# Altium PCB CANSAT-Measurement-RF PCB.PcbDoc
Units mm, origin at the board's own origin, x right, y up, seen from the top; angles counter-clockwise.
Board outline 60.23 x 56.46 mm, 2 copper layers (Top Layer, Bottom Layer); 22 components, 21 nets, 132 pads, 0 vias.
Unrouted connection lines stored in the file: 48.
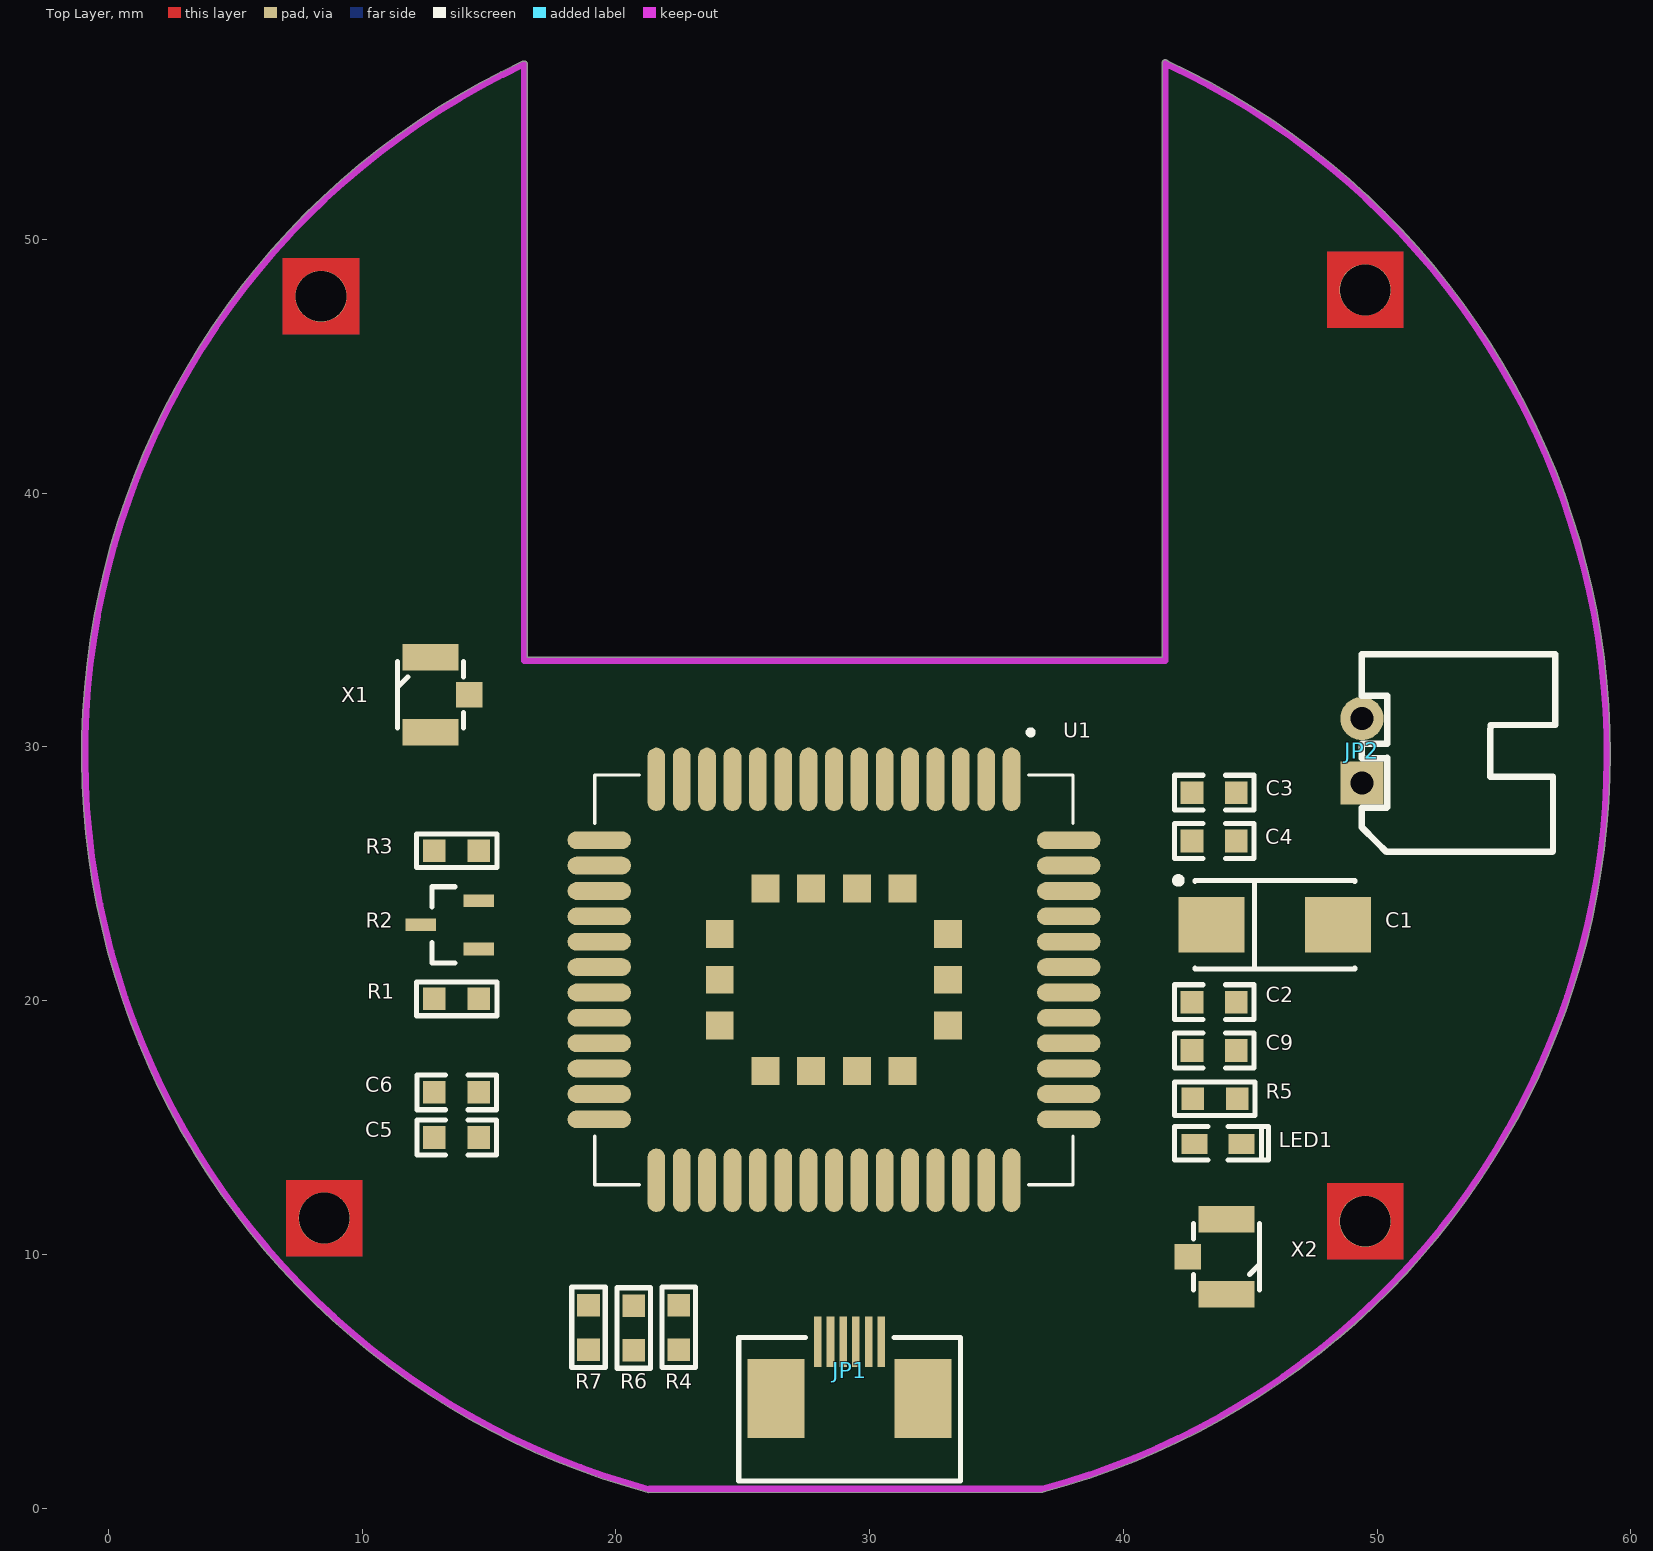
[diagram p0: Top Layer view]
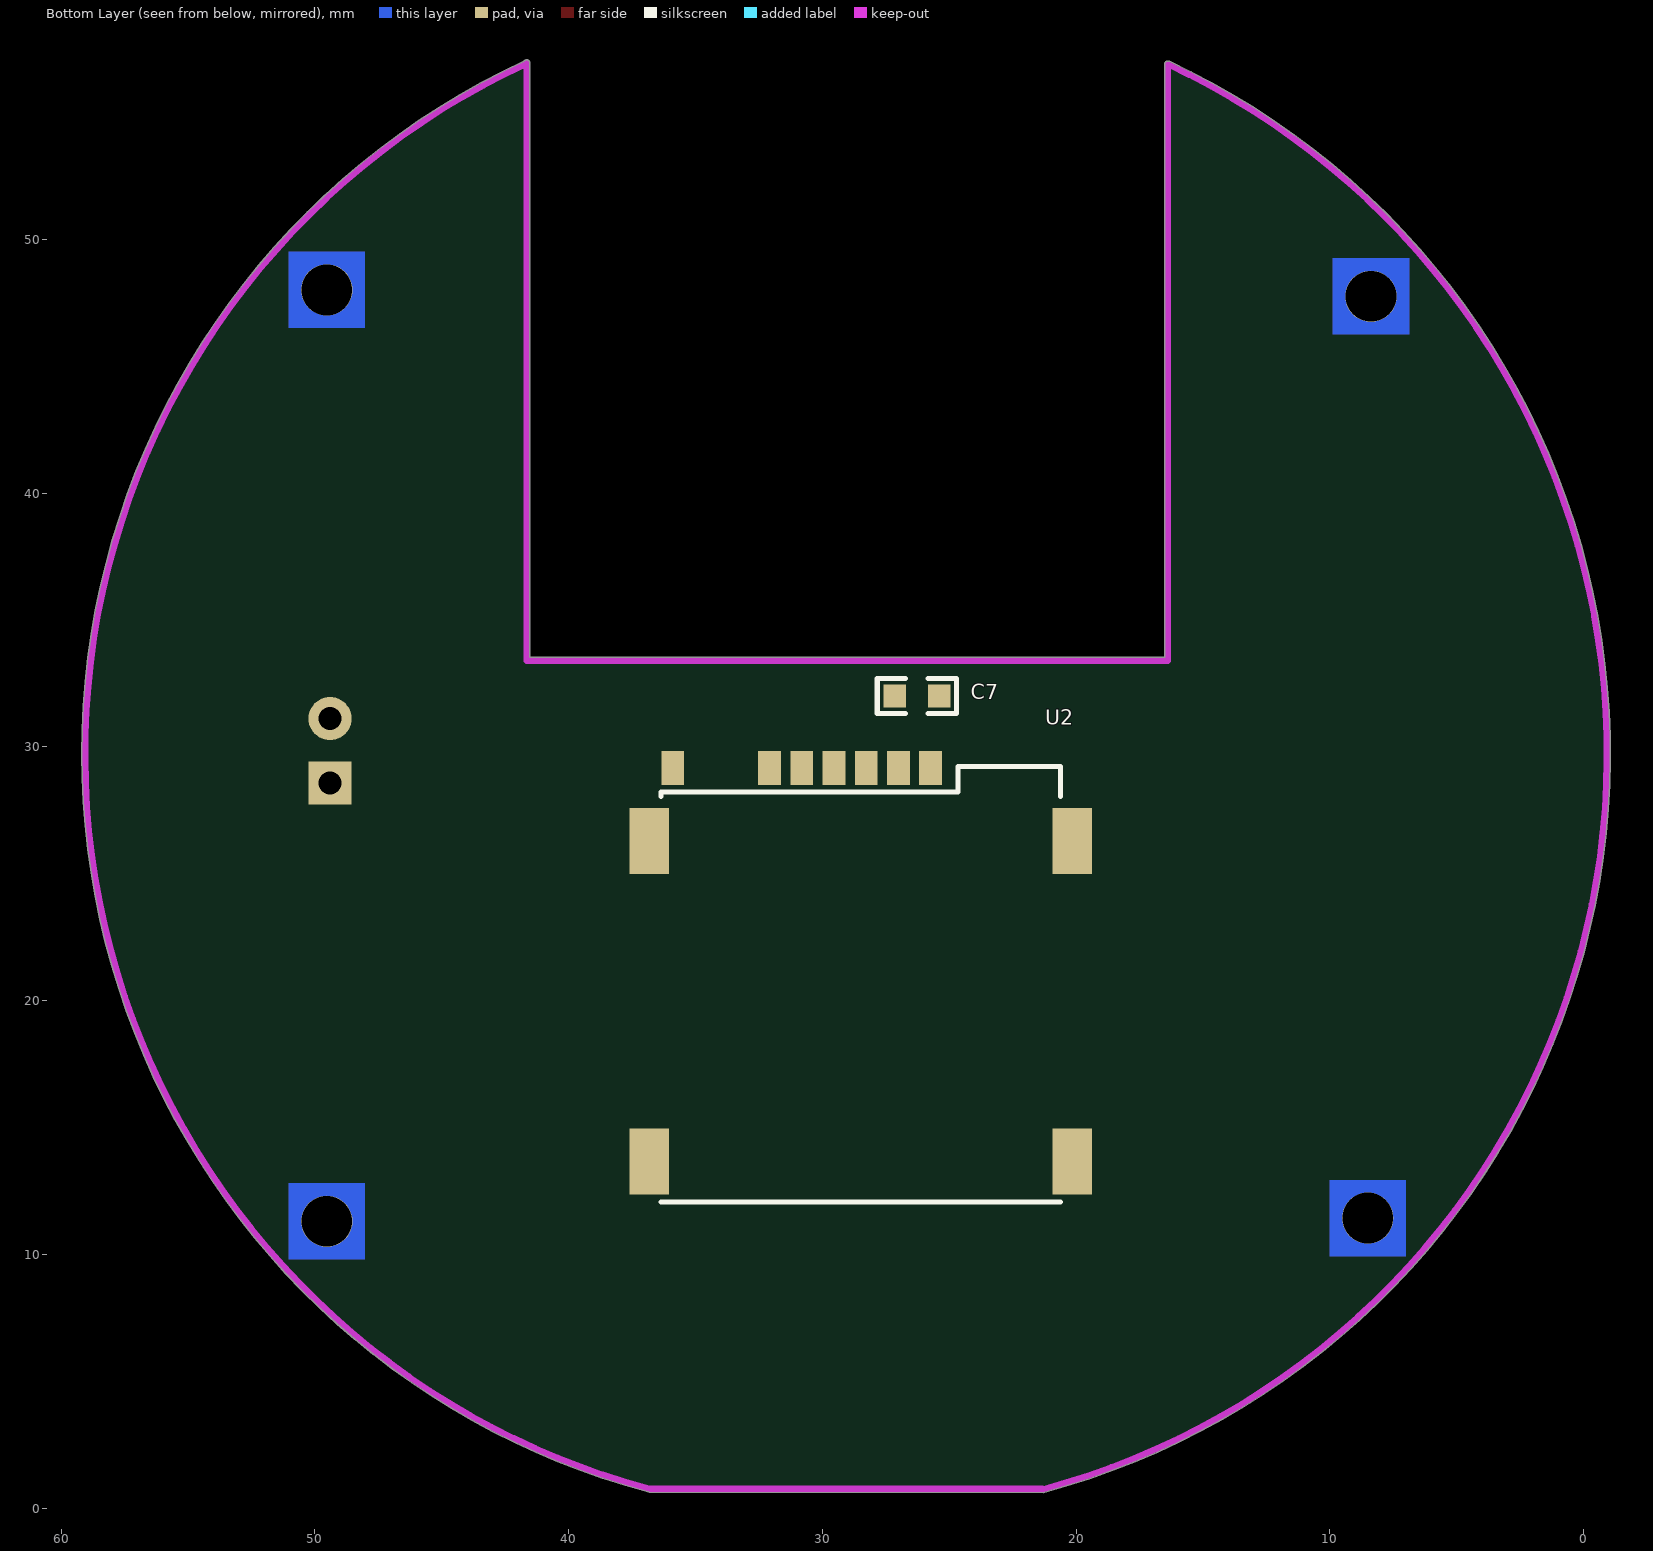
[diagram p1: Bottom Layer view, seen from below]

## Layer stack, top to bottom
Top Solder: solder mask 0.0102, Solder Resist, Dk 3.5
Top Layer: signal copper 0.0356
Dielectric 1: dielectric 0.32, FR-4, Dk 4.8
Bottom Layer: signal copper 0.0356
Bottom Solder: solder mask 0.0102, Solder Resist, Dk 3.5

## Board outline
21.296,0.613 cw(c29.083,29.718) 16.329,57.014 cw(c16.383,56.899) 16.51,56.899 16.51,33.528 41.529,33.528 41.529,56.889 41.537,56.992 cw(c41.656,56.947) 41.76,57.02 cw(c29.083,29.718) 59.185,29.718 cw(c29.083,29.718) 36.863,0.639 36.83,0.635

## Design rules (kind name [scope] priority, off if disabled: settings)
Clearance [All] p1: gap=0.178 ignorepadtopadclearanceinfootprint=FALSE
PolygonConnect [All] p1: connectstyle=Relief reliefconductorwidth=0.254 reliefentries=4 polygonreliefangle="90 Angle" airgapwidth=0.254
RoutingVias [All] p1: holewidth=0.711 width=1.27 viastyle="Through Hole" minholewidth=0.711 minwidth=1.27 maxholewidth=0.711 maxwidth=1.27
SolderMaskExpansion [All] p1: expansion=0.102 istentingtop=FALSE
Width [All] p1: maxlimit=0.254 minlimit=0.254 preferedwidth=0.254
30 further rules are at their usual default settings.

## Components (designator, comment, footprint, x,y, rotation, side; value= is the part's Value field where it differs from the comment)
C1 "100uF" "CD C(6032)" 45.967,22.987 r0 top
C2 "100nF" "C 0603" 43.594,19.939 r0 top
C3 "10pF" "C 0603" 43.594,28.194 r0 top
C4 "33pF" "C 0603" 43.594,26.289 r0 top
C5 "10Uf" "C 0603" 13.716,14.605 r180 top
C6 "100nF" "C 0603" 13.716,16.383 r180 top
C7 "100nF" "C 0603" 26.289,32.004 r0 bottom
C9 "10uF" "C 0603" 43.594,18.034 r0 top
JP1 "FFC_1.0_6" FFC_1.0_6_BT 28.956,4.191 r0 top
JP2 "HDR-1X2" XH2.54-2P_H 49.403,28.575 r90 top
LED1 "LED-SMD" "LED 0603Y" 43.733,14.351 r0 top
R1 "1K" "R 0603" 13.716,20.066 r180 top
R2 "SS8050" SOT23-3N 13.462,22.987 r90 top
R3 "10K" "R 0603" 13.716,25.908 r180 top
R4 "1K" "R 0603" 22.479,7.112 r270 top
R5 "1K" "R 0603" 43.594,16.129 r180 top
R6 "1K" "R 0603" 20.701,7.087 r270 top
R7 "5.6K" "R 0603" 18.923,7.112 r270 top
U1 "Quectel MC60" "Quectel MC60" 28.596,20.845 r270 top
U2 "SIMcard" SIMcard_6pin_1 28.541,20.898 r180 bottom
X1 "u.Fl" "u.Fl 3P" 12.7,32.053 r90 top
X2 "u.Fl" "u.Fl 3P" 44.069,9.906 r270 top

## Footprints (in the part's own frame and the unit in brackets; to place one, negate y for a bottom-side part, rotate by r counter-clockwise, add the part's x,y. Pads: shape width x height; smd on the part's side, far side on the other; paste and mask are expansions set on the pad)
"C 0603" [mil] "ï¿½Þ¼ï¿½ï¿½ï¿½ï¿½ï¿½Æ¬ï¿½ï¿½ï¿½ï¿½"
  rect 35x35 smd: 1(-35,0) 2(34,0)
  silkscreen extent -62,-27 61,27, body extent -31,-16 31,16, height 32
"CD C(6032)" [mm] "Capacitor, SM Tantalum; Body 6.0 x 3.2 mm (LxW typ)"
  rect 2.6x2.2 smd: 1(-2.5,0) 2(2.5,0)
  silkscreen extent -3.92,-1.75 3.15,1.87, body extent -3,-1.6 3,1.6, height 2.5
FFC_1.0_6_BT [mm]
  rect 0.3x2 smd: 1(-0.996,2.361) 2(-0.496,2.361) 3(0.004,2.361) 4(0.504,2.361) 5(1.004,2.361) 6(1.504,2.361)
  rect 2.24x3.12 smd: S1(-2.643,0.127) S2(3.151,0.127)
  silkscreen extent -4.11,-3.12 4.62,2.54, body extent -4.07,-2.79 4.58,2.88, height 2.05
"LED 0603Y" [mm] "ï¿½ï¿½É«0603LED"
  rect 1.016x0.8 smd: 1(-0.927,0) 2(0.927,0)
  silkscreen extent -1.71,-0.63 1.98,0.69, body extent -0.8,-0.41 0.8,0.4, height 0.61
"Quectel MC60" [mm]
  oval 2.5x0.7 smd paste-2: 1(-7.875,7) 2(-7.875,6) 3(-7.875,5) 4(-7.875,4) 5(-7.875,3) 6(-7.875,2) 7(-7.875,1) 8(-7.875,0) 9(-7.875,-1) 10(-7.875,-2) 11(-7.875,-3) 12(-7.875,-4) 13(-7.875,-5) 14(-7.875,-6) 15(-7.875,-7) 28(7.925,-7) 29(7.925,-6) 30(7.925,-5) 31(7.925,-4) 32(7.925,-3) 33(7.925,-2) 34(7.925,-1) 35(7.925,0) 36(7.925,1) 37(7.925,2) 38(7.925,3) 39(7.925,4) 40(7.925,5) 41(7.925,6) 42(7.925,7)
  oval 0.7x2.5 smd paste-2: 16(-5.475,-9.25) 17(-4.475,-9.25) 18(-3.475,-9.25) 19(-2.475,-9.25) 20(-1.475,-9.25) 21(-0.475,-9.25) 22(0.525,-9.25) 23(1.525,-9.25) 24(2.525,-9.25) 25(3.525,-9.25) 26(4.525,-9.25) 27(5.525,-9.25) 43(5.525,9.25) 44(4.525,9.25) 45(3.525,9.25) 46(2.525,9.25) 47(1.525,9.25) 48(0.525,9.25) 49(-0.475,9.25) 50(-1.475,9.25) 51(-2.475,9.25) 52(-3.475,9.25) 53(-4.475,9.25) 54(-5.475,9.25)
  rect 1.1x1.1 smd paste-0.09: 55(-3.575,2.7) 56(-3.575,0.9) 57(-3.575,-0.9) 58(-3.575,-2.7) 59(-1.775,-4.5) 60(0.025,-4.5) 61(1.825,-4.5) 62(3.625,-2.7) 63(3.625,-0.9) 64(3.625,0.9) 65(3.625,2.7) 66(1.825,4.5) 67(0.025,4.5) 68(-1.775,4.5)
  silkscreen extent -9.82,-9.43 8.1,9.43, body extent -7.98,-9.43 8.02,9.27, height 2.2
"R 0603" [mil] "1/10Wï¿½ï¿½Æ¬ï¿½ï¿½ï¿½ï¿½"
  rect 35x35 smd: 1(-35,0) 2(34,0)
  silkscreen extent -63,-26 62,26, body extent -31,-16 32,16, height 16
SIMcard_6pin_1 [mm]
  rect 1.56x2.61 smd: 1(-8.289,5.391) 2(-8.289,-7.239) 3(8.391,-7.239) 4(8.391,5.391)
  rect 0.9x1.35 smd: C1(2.806,8.266) C2(0.266,8.266) C3(-2.274,8.266) C5(1.536,8.266) C6(-1.004,8.266) C7(-3.544,8.266) CD(-7.354,8.266)
  silkscreen extent -7.82,-8.84 7.93,8.33, body extent -8.32,-8.87 8.43,8.46, height 1.5
SOT23-3N [mm] "3x1.3x1mm(ï¿½ï¿½ï¿½ï¿½ï¿½)"
  rect 0.5x1.2 smd: 1(-0.95,-1.143) 2(0.95,-1.143) 3(0,1.143)
  silkscreen extent -1.5,-0.2 1.5,0.7, body extent -1.5,-1.2 1.5,1.2, height 1.05
"u.Fl 3P" [mm]
  rect 1.05x2.2 smd: G(-1.475,0) G(1.475,0)
  rect 1x1.05 smd: S(0,-1.525)
  silkscreen extent -1.3,-1.3 1.3,1.3, body extent -1.5,-1.55 1.5,1.55, height 1.23
XH2.54-2P_H [mm] "½Ó²å¼þ£¬2P"
  rect 1.7x1.7 hole 0.9: 1(0,0)
  round 1.7 hole 0.9: 2(2.54,0)
  silkscreen extent -2.72,-7.62 5.08,0, body extent -2.5,-7.35 5.04,0.35, height 5.73

## Part data
C1: library part C-CD, "Solid Tantalum Chip Capacitor, Standard T491 Series - Industrial Grade", PackageDocument=Mar-2001, Code_JEITA=3528-21, ComponentLink1Description="Manufacturer Link", ComponentLink1URL=http://www.kemet.com/, ComponentLink2Description=Datasheet, ComponentLink2URL=http://www.kemet.com/kemet/web/homepage/kechome.nsf/vapubfilesname/F3102TA.pdf/$file/F3102TA.pdf, DatasheetDocument=Mar-2001, LatestRevisionDate=19-Mar-2004, LatestRevisionNote="Silkscreen dimensions re-sized.", PackageReference=B, Published=17-Jul-2002, Publisher="Altium Limited"
C2 C3 C4 C5 C6 C7 C9: library part C, "Non-polar patch capacitor", BOM名称=无极性贴片电容, 学习资源=www.ooocke.com, 版权归属=源创客
JP1: "FFC"
JP2: library part "Header 2", "2P Connector", BOM名称=2P接插件, 学习资源=www.ooocke.com, 版权归属=源创客
LED1: "Patch LED", BOM名称=贴片LED, 学习资源=www.ooocke.com, 版权归属=源创客
R1 R3 R4 R5 R6 R7: library part R, "Chip resistor", BOM名称="Chip resistor", 学习资源=www.ooocke.com, 版权归属=源创客
R2: library part 8050-SMD, "High frequency amplification-NPN", BOM名称=高频放大-NPN型, 学习资源=www.ooocke.com, 属性="40V 1.5A 1W 100MHZ", 版权归属=源创客
U1: library part MC60, "Ultra-small LCC Quad-band GSM/GPRS/GNSS Module"
U2: library part "SIMcard (6pin)"
X1 X2: library part "u.Fl 3P", "RF", Manufacturer="Hirose Electric Co Ltd", Model=U.FL-R-SMT(01)

## Free pads (board coordinates)
  round 2.025 hole 2: 3(8.382,47.752) 3(8.509,11.43) 3(49.53,11.303) 3(49.53,48.006)

## Nets (pads, with @x,y where several pads share a name; then routed paths per layer and width w, separated by ;. In a path a pad name is that pad's centre, name@x,y a point inside that pad or via, vN(x,y) a via of type N, cw(c..) or ccw(c..) an arc to the next point about the centre after c; other vN are vias at no path point)
3.3V: C5.1 C6.1 JP1.5 U1.26
4V: C1.1 C2.1 C3.1 C4.1 C9.1 JP2.1 U1.50 U1.51
GND: C1.2 C2.2 C3.2 C4.2 C5.2 C6.2 C9.2 JP1.6 JP2.2 R2.2 R3.1 R5.2 R7.1 U1.14 U1.27 U1.31 U1.40 U1.42 U1.44 U1.45 U1.48 U1.49 U2.1 U2.2 U2.3 U2.4 X1.G X2.G
GNSS_ANT: U1.15 X1.S
NetLED1_2: LED1.2 R5.1
NETLIGHT: LED1.1 U1.47
NetR1_2: R1.2 R2.1 R3.2
NetR4_1: R4.1 U1.34
NetR6_1: R6.1 U1.33
PWRKEY: R2.3 U1.5
RF_ANT: U1.41 X2.S
RXD_GNSS: U1.23 U1.25
RXD_MAIN: JP1.1 R4.2
SIM1_CLK: U1.19 U2.C3
SIM1_DATA: U1.21 U2.C7
SIM1_RST: U1.20 U2.C2
SIM1_VDD: C7.1 U1.18 U2.C1
SIM_GND: C7.2 U1.16 U2.C5
TURN_ON_PULSE: JP1.3 R1.1
TXD_GNSS: U1.22 U1.24
TXD_MAIN: JP1.2 R6.2 R7.2
pads on no net: JP1.4 JP1.S1 JP1.S2 U1.1 U1.2 U1.3 U1.4 U1.6 U1.7 U1.8 U1.9 U1.10 U1.11 U1.12 U1.13 U1.17 U1.28 U1.29 U1.30 U1.32 U1.35 U1.36 U1.37 U1.38 U1.39 U1.43 U1.46 U1.52 U1.53 U1.54 U1.55 U1.56 U1.57 U1.58 U1.59 U1.60 U1.61 U1.62 U1.63 U1.64 U1.65 U1.66 U1.67 U1.68 U2.C6 U2.CD

## Keep-outs
Keep-Out Layer:
  lines w0.254: 21.329,0.736 cw(c29.083,29.718) 16.383,56.899 16.383,45.212 16.383,33.401 41.656,33.401 41.656,56.947 ; 21.336,0.762 36.83,0.762 ccw(c29.083,29.718) 41.649,56.931

## Other copper
Top Layer:
  region: 6.882,49.252 6.882,46.252 9.882,46.252 9.882,49.252
  region: 48.03,49.506 48.03,46.506 51.03,46.506 51.03,49.506
  region: 48.03,12.803 48.03,9.803 51.03,9.803 51.03,12.803
  region: 7.009,12.93 7.009,9.93 10.009,9.93 10.009,12.93
Bottom Layer:
  region: 6.882,49.252 6.882,46.252 9.882,46.252 9.882,49.252
  region: 48.03,49.506 48.03,46.506 51.03,46.506 51.03,49.506
  region: 48.03,12.803 48.03,9.803 51.03,9.803 51.03,12.803
  region: 7.009,12.93 7.009,9.93 10.009,9.93 10.009,12.93

## Silkscreen, mask and mechanical layers (free items; w line width, h text height)
Mechanical 1:
  circle w0.254: c29.083,29.718 r0.359
  lines w0.254: 49.403,55.626 49.53,55.499